# KiCad board AMLDC-2044B p3.kicad_pcb (continued)
## Routing (per net, layer and track width the routed paths; a pad name or vN(x,y) marks a point on that pad's centre or on a via; arc(x,y) is an arc through that point) (continued)
P7p12: length 9.4
  Top w0.15: UP7.12 384.31,121.77 382.5,119.96 382.1,119.6 381.78,119.19 381.3,118.66 380.26,117.01 380.08,116.35 379.23,114.84
Q1p1: length 20.7
  Top w0.15: 426.8,114.89 426.4,116.57 426.47,117.18 426.88,117.85 R23.1 425.86,119.65 425.01,121.42 424.82,121.89 424.14,123.51 423.6,124.68 422.83,126.19 422.78,126.24 419.23,126.24 419.23,129.13 419.35,129.25 419.35,130.03 Q1.1
Q1p2: length 22.3
  Top w0.15: Q1.2 417.61,131.27 417.97,131.74 418.96,132.77 419.99,134.03 420.46,134.89 420.74,135.49 420.91,136.18 421.34,137.12 421.98,138.45 422.39,139.15 422.75,139.88 ; R20.1 418.06,141.13 419.39,140.72 420.59,140.23 422.75,139.88 ; 422.75,139.88 423.18,139.71 423.69,139.13 425.53,138.15 R21.2
Q1p3: length 41.1
  Top w0.15: Q1.3 415.4,132.28 414.82,131.36 414.28,129.73 414.13,129.28 412.88,126.24 412.88,123.62 414.06,122.44 414.06,121.82 416.25,119.63 416.25,101.11 416.35,101.02 v1(416.48,101.02) 416.48,100.88 416.53,100.84 422.43,100.84
R0p13: length 56.2
  Top w0.25: 120.71,95.27 UR0.5 UR0.10 ; 120.71,95.27 120.64,95.2 113.09,95.2 ; 120.71,95.27 120.71,88.41 US0.10 US0.5 ; 113.09,95.2 UR0.2 UR0.13 ; 113.09,95.2 113.09,88.41 US0.13 US0.2
R1p4: length 29.9
  Top w0.15: US1.4 US1.13 155.82,88.61 UR1.4 UR1.13 ; US1.4 155.54,80.71 ; US1.4 155.5,80.67 155.51,80.19 155.34,79.76 154.79,79.21 153.86,78.42 153.58,78.23 152.85,77.75 152.34,77.23 152.31,77.23 v1(152.28,77.26) 152.25,77.23 152.18,77.23
R1p5: length 17
  Top w0.15: US1.5 158.06,82.42 157.5,83.67 157.24,87.7 157.17,87.77 157.17,91.96 157.67,92.46 157.67,92.68 v1(157.64,92.72) 157.67,92.75 158.18,95.71 158.36,96.14 UR1.5
R2p9: length 16.4
  Top w0.15: 206.44,120.76 v1(206.32,120.91) 206.72,120.48 206.86,119.54 207.09,118.42 207.43,117.27 207.79,116.23 207.47,112.55 206.75,110.07 206.6,109.04 206.38,108.39 UR2.9
R3p10: length 24.4
  Top w0.15: US3.5 US3.10 238.82,95.89 239.08,96.15 UR3.5 238.9,100.4 238.92,100.96 UR3.10
R3p13: length 24.9
  Top w0.15: UR3.13 231.46,103.7 231.57,103.59 231.46,103.47 UR3.2 231.46,95.99 231.61,95.84 231.61,89.56 231.68,89.49 231.2,89.01 US3.13 231.67,87.84 231.67,87.45 231.64,86.72 231.55,82.9 US3.2
R4p13: length 29.4
  Top w0.15: 266.49,76.64 266.43,76.58 v1(266.43,76.67) 266.52,76.96 267.29,77.88 267.99,78.8 268.9,79.84 US4.4 US4.13 268.76,88.49 UR4.4 268.82,99.77 268.69,102.82 268.76,103.9 UR4.13
R5p1: length 6.4
  Top w0.15: 298.62,91.26 298.59,91.23 v1(298.63,91.23) 298.63,91.27 298.79,91.43 298.79,96.24 298.43,96.6 UR5.1
R5p5: length 5.7
  Top w0.15: UR5.5 308.65,96.14 307.89,95.31 307.49,94.98 307.04,94.75 306.07,94.41 305.64,94.47 305.05,94.94 v1(304.99,94.98) 305.01,94.94
R5p12: length 5
  Top w0.15: UR5.12 303.51,104.61 304.26,103.86 304.67,103.61 304.98,103.36 305.54,103.21 306.25,102.95 306.98,102.96 307.49,102.98 v1(307.49,102.95) 307.51,102.95 307.58,102.88
R6p12: length 9.2
  Top w0.15: UR6.12 348.66,102.52 349.19,101.81 349.51,101.15 350.37,100.14 350.67,99.43 350.75,99.43 351.61,98.21 352.35,97 353.09,95.89
R7p11: length 18.1
  Top w0.15: UR7.11 386.04,102.11 385.5,101.88 385.31,101.55 384.3,100.63 383.86,99.84 383.25,98.96 383.17,98.07 383.17,95.33 383.08,93.66 382.67,92.88 381.38,91.68 381.1,91.41 380.05,90.05 379.82,89.26 379.03,88.14
R7p12: length 9.4
  Top w0.15: UR7.12 383.88,102.44 383.36,101.52 382.86,100.99 382.69,100.9 382.13,100.42 381.43,99.99 381.14,99.68 380.84,99.33 380.19,98.6 379.89,97.88 379.23,95.84
R60p1: length 2.6
  Top w0.25: R60.1 209.27,50.41 R61.1
R64p1: length 2.6
  Top w0.25: R64.1 209.24,39.99 R63.1
R66p1: length 2.6
  Top w0.25: R62.1 209.33,45.13 R66.1
R78p1: length 150.3
  Top w0.15: 142.37,148.51 142.37,148.43 v1(142.41,148.4) 142.51,138.77 142.56,137.79 142.52,137.25 142.49,113.73 142.01,112 141.29,110.05 140.49,108.61 140.26,107.48 139.8,106.02 139.62,94.41 139.56,93.45 139.45,87.06 139.56,86.95 139.56,68.64 v1(139.61,68.6) 139.56,68.55 139.56,67.84 139.65,65.16 139.78,46.34 140.12,45.34 140.53,44.5 141.07,43.55 140.96,25.73 140.93,23.4 140.87,21.92 140.89,21.02 140.91,20.43 140.85,20.03 140.95,18.85 140.83,17.94 140.57,17.03 140.17,15.76 139.66,14.53 139.26,13.5 139.24,13.5 139.14,12.68 138.95,11.98 139.01,11 138.95,10.48 138.93,10.11 139.1,9.08 139.23,8.22 139.32,7.34 139.39,6.86 139.68,5.83 139.89,4.52 140.09,3.72 140.22,2.89 140.49,1.9 R78.1
R82p2: length 136
  Top w0.15: 222.98,163.53 v1(222.95,163.59) 222.66,158.4 222.52,153.47 222.58,151.25 222.94,133.89 222.96,131.9 223.36,113.72 222.86,112.12 222.55,110.78 222.22,110.27 221.72,108.12 221.68,106.61 221.55,106.24 221.69,103.76 221.86,102.76 222.28,100.04 222.4,98.95 223.06,94.67 223.15,93.36 223.44,91.58 223.72,89.01 224.28,85.41 224.05,69.4 v1(224.05,66.78) 224.01,66.63 223.93,64.94 223.36,63.26 222.88,61.45 222.53,60.59 222.19,59.12 221.69,57.61 221.45,56.28 221.45,50.9 221.54,49.35 221.47,46.46 221.39,43.87 221.26,43.13 221.07,42.17 220.83,38.94 221,37.73 221.34,33.82 221.65,32.66 222.08,30.42 R82.2
S0p3: length 74.3
  Top w0.15: UW0.13 112.7,9.96 112.88,10.69 113.05,11.22 113.22,11.63 113.25,12.06 113.6,13.22 114.13,15.13 114.35,15.72 114.54,16.67 114.95,17.62 UV0.3 114.49,20.2 114.25,21.17 114.14,22.3 114.1,23.45 114.04,24.02 114.02,24.42 113.96,24.77 113.96,32.66 v1(113.93,32.68) 113.96,32.71 113.96,32.75 113.92,32.79 113.92,33.7 114.07,34.1 114.27,35.22 114.26,35.74 114.35,36.48 114.59,37.7 114.65,38.31 114.75,39.35 114.9,40.74 115.13,41.78 UU0.3 114.85,44.07 114.68,44.54 114.48,45.19 114.35,45.78 114.25,46.15 114.17,46.66 114.18,47.31 114.1,48.08 114,55.72 114.46,58.01 114.53,58.56 115.02,60.02 115.33,60.89 UT0.3 115.58,62.75 114.89,63.44 114.91,63.46 114.54,64.66 114.14,66.6 114.11,73.93 114.12,75.95 114.34,77.25 114.7,78.17 114.86,78.63 115.12,79.49 115.49,79.98 US0.3
S0p6: length 82.8
  Top w0.15: UW0.5 120.47,1.32 120.56,2.09 120.87,2.76 121.08,3.54 121.24,4.03 121.4,5.2 121.4,6.38 121.38,7.63 121.2,12.73 121.5,15.1 122.19,17.14 122.4,17.79 122.51,18.36 UV0.6 122.36,20.11 122.06,20.94 121.92,21.3 121.65,21.91 121.46,23.62 121.54,25.2 121.57,36.37 v1(121.68,36.64) 121.83,37.3 121.82,38.2 122.02,39.09 122.23,39.91 122.33,40.54 122.62,41.29 122.64,41.26 122.78,41.98 UU0.6 122.39,43.93 122.15,44.27 121.76,45.42 121.72,45.72 121.73,46.16 121.67,55.88 122.11,58.15 122.34,58.95 122.3,58.72 122.45,59.57 122.59,60.12 122.73,60.56 122.77,60.98 UT0.6 122.41,63.39 122.21,63.72 122.07,64.17 122.04,64.82 121.88,65.65 121.76,67.15 121.67,68.28 121.74,68.59 121.74,77.45 122.08,78.32 122.17,78.55 122.65,79.63 122.73,80.26 US0.6
S0p8: length 82.5
  Top w0.25: US0.8 125.36,87.54 124.42,85.41 124.42,79.29 124.47,79.23 124.25,79.01 124.25,76.32 124.42,76.15 124.42,73.39 124.9,72.92 124.9,71.52 125.74,70.67 UT0.8 125.05,69.09 124.63,67.99 124.22,66.49 124.18,66.13 124.27,65.9 124.41,59.67 124.38,58.9 124.28,58.43 124.29,57.02 124.46,56 124.58,55.51 124.76,54.46 125,53.86 125.01,53.45 125.2,52.8 125.36,52.18 UU0.8 125.19,49.58 124.76,48.57 124.44,47.57 124.22,46.55 124.21,34.67 124.25,33.72 124.55,31.13 124.67,30.62 124.77,30.15 125.05,28.21 UV0.8 125,25.93 125.07,25.44 124,22.89 124.12,18.17 124.09,16.09 124.09,15.62 124.14,15.2 124.1,14.78 124.1,13.69 123.91,12.81 123.62,11.68 123.34,10.81 123.22,10.46 122.99,9.86 UW0.9
S0p11: length 82
  Top w0.25: 116.71,30.88 116.56,39.23 116.5,40.72 116.62,42.53 116.59,45.35 116.58,45.36 116.64,46.66 116.73,46.83 116.68,47.34 117.19,48.64 117.72,49.81 UU0.11 117.76,51.56 117.28,52.38 116.91,53.57 116.7,55.03 116.64,55.89 116.61,55.92 116.61,57.16 116.73,58.76 116.71,63.74 116.62,64.77 116.65,65.73 117.01,67.08 117.7,68.57 UT0.11 117.57,71.07 117.03,72.11 116.77,72.54 116.79,74.17 116.7,74.91 116.76,76.56 116.8,80.33 116.8,83.27 116.86,85.11 117.02,85.77 117.13,86.05 117.58,87.69 118.17,87.84 US0.11 ; 116.71,30.88 116.7,30.86 ; 116.71,30.88 116.76,30.13 116.94,29.02 117.36,27.75 UV0.11 118.07,25.24 118.54,24.2 118.76,22.58 118.82,21.59 119.12,19.55 118.7,16.26 118.6,15.51 118.45,14.94 118.28,13.56 118.18,12.84 118.13,12.09 118,11.48 117.91,10.97 117.73,10.16 UW0.11
S2p1: length 11.7
  Top w0.15: 190.12,72.04 v1(190.12,72.15) 190.12,72.51 189.77,72.85 189.55,74.13 189.19,75.76 189.1,76.94 189.05,77.32 188.81,79.52 US2.1 US2.2
S2p13: length 17.6
  Top w0.15: v1(202.57,78.32) 202.57,81.31 202.04,82.9 200.95,84.18 199.85,84.5 196.36,85.11 195.06,85.41 193.52,86.06 192.02,87.28 US2.13
S3p3: length 74.1
  Top w0.15: UW3.13 232.24,9.53 232.5,10.68 232.76,11.4 233.11,12.8 233.58,14.59 233.62,15.05 234.14,16.19 UV3.3 234.11,19.3 233.61,20.47 233.4,21.6 233.22,22.36 233.19,22.47 233.2,23.54 233.15,24.11 233.17,25.88 233.05,29.17 233.44,30.7 233.72,31.68 233.96,32.48 233.94,32.58 234.2,34.55 234.46,35.53 234.46,36.87 234.44,36.9 234.61,39.44 234.51,39.99 234.48,40.7 UU3.3 234.13,43.85 233.84,44.7 233.7,45.4 233.43,46.4 233.37,47.39 233.16,47.97 233.11,49.32 233.1,50.23 232.97,50.35 233.08,52.3 233.05,54.13 233.15,55.89 233.58,57.67 233.89,59.22 234.07,60.43 UT3.3 233.9,62.71 233.59,63.09 233.47,64.42 233.26,65.24 233.23,65.97 233.22,67.14 233.05,69.42 233.05,75.26 233.09,76.67 233.49,77.81 233.74,78.74 233.92,79.39 233.74,79.56 US3.3
S3p6: length 82.7
  Top w0.15: 240.65,9.61 240.63,9.63 ; 240.63,9.63 240.65,7.62 240.47,6.02 240.26,5.15 240.21,4.4 239.93,3.36 UW3.5 ; 240.63,9.63 240.51,12.16 240.83,14.15 241.17,15.51 241.7,16.76 241.9,18.16 241.52,20.06 241.21,20.91 241.04,22.06 240.57,24.62 240.57,29.2 240.52,30.51 240.6,32.42 240.64,33.62 240.68,33.09 240.84,35.61 241.13,36.94 241.15,37.91 241.31,38.73 241.48,40.15 241.85,41.34 241.92,42.46 241.58,43.6 240.81,46.08 240.74,46.53 240.49,49.34 240.7,51.58 240.48,55.68 240.65,57.49 240.99,58.54 241.3,59.55 241.66,60.23 UT3.6 241.59,63.04 241.26,63.94 240.81,65.65 240.49,66.62 240.49,72.18 240.38,72.83 240.33,75.43 240.81,77.15 241.04,78.07 241.21,78.9 241.36,79.88 US3.6
S3p8: length 81.8
  Top w0.15: US3.8 243.9,88.05 243.58,86.66 243.07,85.01 242.7,80.15 242.96,78.16 243.02,76.9 243.15,75.52 243.27,73.6 UT3.8 244.12,68.38 243.87,67.9 243.01,65.74 243.12,61.02 243.08,59.64 243.15,58.95 243.23,56.33 243.46,55.12 243.85,53.56 244.08,52.96 244.14,52.63 244.52,51.75 244.46,51.69 UU3.8 244.01,48.89 243.73,47.97 243.36,46.16 243.25,45.67 243.11,44.68 243.09,43.33 243.09,37.31 243.1,37.29 243.08,36.28 243.16,33.19 243.16,32.06 243.19,32.03 243.34,30.95 243.75,29.24 243.84,28.48 243.98,28.33 244.12,27.73 244.27,27.12 UV3.8 244.05,24.8 243.59,23.41 243.23,22.16 243.17,21.31 243.13,20.79 243.14,19.98 243.14,17.34 243.13,17.07 243.06,16.2 242.97,14.67 242.71,13.46 242.53,11.94 242.43,11.09 242.3,10.76 242.16,10.09 UW3.9
S3p11: length 82.4
  Top w0.15: 237.61,81.04 237.95,83.09 237.67,85.82 237.11,86.94 236.28,87.66 US3.11 ; 237.83,32.43 237.85,32.45 ; 237.85,32.45 237.79,31.61 237.72,30.58 237.61,29.93 237.63,29.33 237.56,28.76 237.44,28.08 237.26,27.46 237.11,26.86 UV3.11 237.55,23.99 237.82,23.41 237.95,22.81 238.06,22.27 238.12,18.13 238.07,16.55 238.01,15.36 237.82,14.24 237.7,13.42 237.61,12.71 237.49,12.04 237.28,11.22 237.07,10.32 236.92,9.83 236.94,9.67 UW3.11 ; 237.85,32.45 237.96,34.2 237.93,35.2 237.98,36.14 238.03,36.85 238.11,45.03 237.96,46.19 237.92,46.64 237.66,47.63 237.43,48.68 237.14,49.12 UU3.11 236.84,51.84 237.05,52.75 237.17,53.2 237.26,53.74 237.43,54.77 237.57,55.64 237.71,56.32 237.94,57.76 238.06,59.52 238.06,66.14 237.78,67.32 237.26,68.3 236.76,68.56 UT3.11 237.06,70.49 236.96,71.36 237.17,72.43 237.29,74.32 237.41,74.69 237.57,75.74 237.83,77.69 238.05,79.32 237.6,81.16
S6p12: length 9.3
  Top w0.15: US6.12 347.96,87.58 348.53,87.17 348.8,86.82 349.13,86.47 349.33,86.14 350.02,85.17 351.24,83.49 351.59,82.81 351.92,82.33 352.42,81.5 353.04,80.67
S7p11: length 18.7
  Top w0.15: US7.11 386.49,87.12 385.65,86.4 384.78,85.26 384.13,84.45 383.48,83.58 383.3,82.92 383.01,82 383.04,80.14 383.13,78.87 383.07,76.76 382.73,75.55 382.15,74.55 381.36,73.18 380.46,71.32
S7p12: length 9.3
  Top w0.15: US7.12 383.85,87.18 383.32,86.28 382.51,85.12 381.67,84.35 380.81,83.5 380.46,83.21 380.2,82.78 379.98,82.07 379.03,80.52
SPARE: length 12.7
  Top w0.15: 82.62,218.71 83.97,217.2 84.82,216.2 R56.1 ; 82.83,218.55 81.86,219.31 81.78,219.43 80.96,219.98 80.28,220.31 75.83,220.56 J1.79
T0p10: length 7.8
  Top w0.15: UT0.10 120.42,69.54 120.42,68.46 120.46,67.9 120.37,65.29 120.4,64.58 120.39,63.14 120.39,62.45 UT0.5
T0p13: length 7.6
  Top w0.15: UT0.2 112.83,63.92 112.83,65.36 112.81,67.11 112.85,68.2 112.89,68.93 UT0.13
T1p6: length 5.8
  Top w0.15: UT1.6 160.92,62.95 160.83,63.69 160.77,64.02 160.35,65.31 160.18,66 160.1,66.23 159.93,66.81 159.74,66.92 v1(159.76,67.26) 159.74,67.28 159.78,67.32
T2p1: length 20.3
  Top w0.15: UT2.1 188.93,60.58 189.34,60.2 189.68,59.4 190.2,58.67 190.7,57.72 191.5,56.33 191.8,55.73 192.22,54.78 192.48,53.65 192.52,52.71 192.62,52.06 192.68,51.12 192.77,48.1 192.78,46.79 192.88,45.82 193.12,45.23 193.5,44.08 193.62,43.71 UU2.3
T2p2: length 12.8
  Top w0.15: UU2.11 196.43,51.19 196.01,51.94 195.32,53.03 194.9,54.04 194.57,54.7 194.32,55.02 193.89,56.05 193.55,56.61 193.13,57.48 192.58,58.56 191.94,60.18 191.38,60.91 UT2.2
T2p4: length 20.5
  Top w0.15: UU2.6 200.77,43.59 200.14,44.53 199.84,45.06 199.02,46.1 198.66,46.68 198.19,47.48 197.92,48.05 197.82,48.46 197.69,51.23 197.67,52.16 197.55,54.93 197.39,58.51 197.18,59.15 196.82,60.15 196.53,60.76 196.53,60.82 196.46,60.88 UT2.4
T2p5: length 13
  Top w0.15: UU2.8 203.67,51.41 203.38,52.03 203.05,52.67 202.68,53.56 202.22,54.39 201.73,55.26 201.17,56.46 200.63,57.63 200.1,58.75 199.61,59.73 UT2.5 199,61.41
T3p10: length 7.6
  Top w0.15: UT3.5 239.35,65.02 239.31,66.95 UT3.10
TRK2: length 26.4
  Top w0.15: J1.87 80.07,207.79 81.15,207.16 81.63,206.75 81.85,206.63 82.15,206.45 82.4,206.19 83.05,205.63 83.37,205.25 84.06,204.59 84.8,203.92 85.66,202.94 86.05,202.54 87.12,201.22 87.74,200.43 87.99,200.15 90.1,197.75 91.29,196.18 91.84,195.51 92.49,194.72 92.86,194.19 93.4,193.69 93.62,193.36 93.84,193.06 94.42,192.54 ; v1(95.08,191.89) 94.33,192.63
TRK3: length 30.5
  Top w0.15: 87.2,204.07 88.82,202.36 89.44,201.64 89.55,201.48 91.92,199.29 91.92,199.27 93.01,198.19 93.62,197.58 94.37,197.1 95.09,196.77 96.67,196.11 v1(97.59,195.7) 97.61,195.73 ; J1.83 80.14,214.14 80.55,213.53 80.96,213.26 81.55,212.72 82.54,211.29 82.96,210.76 ; 87.27,203.99 86.86,204.44 85.71,206.03 85.49,206.32 84.11,208.4 82.9,210.83
TRK4: length 25.5
  Top w0.15: 93.77,189.9 v1(93.86,189.9) 93.14,190.72 92.62,191.61 92.24,191.99 91.59,193.22 91.36,193.58 91.2,193.87 90.6,194.78 90.09,195.58 89.02,197.21 88.39,198.19 86.96,199.95 85.95,200.86 85.11,201.71 84.05,202.82 ; J1.89 79.9,204.61 80.42,204.61 80.88,204.58 81.11,204.58 81.49,204.37 82.4,204.07 83.19,203.45 84.27,202.66
TRK6: length 21.4
  Top w0.15: 93.32,238.63 93.07,238.47 92.77,238.26 92.29,238.12 91.82,237.91 90.88,237.27 90.51,237.08 90.25,236.99 89.59,236.6 88.89,236.2 88.19,235.85 87.26,235.23 86.98,235.03 85.5,233.89 85.2,233.67 85.04,233.54 84.04,232.89 83.68,232.62 83.3,232.4 82.62,231.9 81.76,231.51 81.13,231.2 ; 81.16,231.21 80.38,230.9 J1.73 ; 94.29,239.49 v1(94.31,239.46) 94.29,239.36 93.94,239.02 93.2,238.56
U0p2: length 7.7
  Top w0.15: UU0.2 112.73,44.1 112.75,44.47 112.75,49.32 112.77,49.8 UU0.13
U0p10: length 7.7
  Top w0.15: UU0.10 120.36,49.51 120.24,45.75 120.23,44.47 120.18,44.16 UU0.5
U1p3: length 44.2
  Top w0.15: UU1.3 152.95,41.87 152.56,41.29 151.65,40.15 151.43,39.78 150.73,38.9 150.44,38.38 150.06,37.71 150.03,36.32 150.32,34.71 150.58,33.73 150.64,33.22 151.19,31.69 151.49,30.76 151.81,29.73 152.08,28.27 152.08,22.68 152.25,22.07 152.8,20.63 152.98,19.9 UV1.3 152.86,18.34 152.99,17.34 152.48,16.63 152.03,15.15 151.89,13.83 152.03,8.01 151.82,5.19 151.39,3.98 151.36,3.92 151.3,3.57 151.27,3.14 150.92,2.13 150.71,0.7
U1p4: length 45
  Top w0.15: UU1.4 155.96,41.67 156.27,41.14 156.39,39.94 156.56,38.73 156.79,37.87 156.87,36.98 156.93,35.15 156.99,34.08 157.03,31.87 157,30.27 157.09,24.7 157.03,24.18 156.91,23.26 156.83,22.61 156.49,21.47 156.07,20.12 ; 156.17,20.32 155.79,19.56 155.79,18.74 155.87,17.55 156.08,16.69 156.62,15.67 157.11,14.9 157.59,14.02 158.24,13.19 158.46,12.72 159.36,11.09 159.46,6.33 159.63,5.48 160.28,4.46 160.63,4.03 161.19,3.3 161.7,2.86 UW1.7
U1p10: length 59.5
  Top w0.15: UU1.10 158.89,49.35 159.1,48.69 159.61,47.19 159.74,37.43 159.71,37.36 159.73,37.03 159.64,35.07 159.46,34.07 159.35,32.89 159.2,31.97 159.15,31.23 158.82,30.05 158.72,28.89 158.33,27.29 UV1.10 158.96,25.41 159.36,24.78 160.32,23.69 160.92,23.07 161.24,22.73 162.01,21.56 162.06,7.22 162.11,6.73 162.22,6.61 162.47,5.65 163.03,4.89 163.52,4.28 164.04,3.53 164.34,3 164.63,0.33 164.62,-0.97 164.42,-1.4 164.3,-1.57 163.94,-1.87 163.66,-1.89 163.22,-1.95 162.38,-1.75 161.4,-0.87 161.25,-0.68 161.06,-0.48 UW1.6
U1p11: length 50.6
  Top w0.15: UW1.3 153.66,1.93 153.8,2.54 153.89,2.97 154.11,3.78 154.31,4.91 154.44,5.44 154.46,6.2 154.5,7.69 154.37,14.74 154.48,23.18 155.21,25.27 155.79,26.36 155.79,31.25 155.74,31.67 155.73,33.01 155.54,35.7 155.38,36.05 155.1,37.36 154.51,40.45 154.56,40.96 154.6,41.17 154.63,41.2 154.63,47.63 155.05,48.61 155.55,49.46 UU1.11
U2p2: length 16.5
  Top w0.15: UU2.2 191.45,41.48 191.43,41.08 191.41,40.81 191.52,40.34 191.51,39.83 191.56,39.18 191.62,38.85 191.66,38.09 191.79,37.29 192.05,35.26 192.12,34.93 192.18,34.18 192.44,33.07 192.85,31.19 193.05,30.3 193.23,29.76 193.44,29.21 193.76,27.8 UV2.12
U2p5: length 16.2
  Top w0.15: UV2.10 198.84,41.08 198.82,41.1 UU2.5
U2p9: length 24.1
  Top w0.15: UV2.8 203.92,28.26 203.8,29.49 203.67,30.55 203.59,31.5 203.45,32.33 203.35,33.15 203.28,33.8 203.19,34.74 203.14,36.19 203.05,36.54 202.95,38.86 202.89,40.2 202.87,41.28 202.73,45.07 202.75,46.03 202.29,47.57 201.8,48.94 UU2.9
U2p13: length 32.1
  Top w0.15: UU2.13 190.66,48.63 190.42,47.65 190.24,46.9 190.21,38.36 190.39,36.92 190.39,36.4 190.5,36.04 190.69,34.92 190.8,34.34 190.95,34.04 191.17,33.05 191.41,32.36 191.56,31.56 191.96,30.09 192.19,28.96 192.51,27.58 192.51,24.37 192.48,23.7 192.25,21.68 192.04,20.92 191.76,20 UV2.2
U3p10: length 7.6
  Top w0.15: UU3.10 239.21,48.81 239.25,46.18 UU3.5
U3p13: length 7.6
  Top w0.15: UU3.2 231.87,47.9 231.87,48.98 UU3.13
U4p3: length 43
  Top w0.15: 264.25,0.12 264.6,1.52 264.72,2.43 264.91,3.04 265.29,4.14 265.48,5.72 265.59,7.51 265.58,10.82 265.57,11.57 265.57,13.18 265.41,14.62 265.88,15.88 265.97,16.21 266.46,17 UV4.3 266.28,19.75 266.01,20.24 265.7,21.35 265.48,23.17 265.55,25.25 265.56,25.71 265.56,30.94 265.66,31.04 265.66,33.59 266.01,36.26 266.22,37.74 266.79,41.15 UU4.3
U4p4: length 45.1
  Top w0.15: UW4.7 276.38,1.14 275.86,1.69 275.51,2.2 275.21,2.66 274.01,4.35 273.74,4.82 273.12,6.42 273.06,8.81 273.03,10.65 272.87,13.08 272.44,13.99 272.09,14.3 271.97,14.46 271.75,14.77 270.89,15.63 270.44,16.12 269.99,16.72 269.2,17.51 UV4.4 269.2,18.9 269.85,20.16 270.05,21.21 270.34,22.31 270.62,24.93 270.58,25.77 270.72,31.86 270.59,33.06 270.48,35.63 270.33,36.33 270.23,37.36 270.1,38.41 270.07,38.69 270.03,38.9 269.71,40.7 269.5,41.24 UU4.4
U4p10: length 60.7
  Top w0.15: 275.61,6.39 275.61,7.51 275.53,8.75 275.5,8.72 275.49,10.81 275.52,11.71 275.52,12.53 275.55,16.22 275.52,20.23 275.18,21.45 274.61,22.36 273.73,23.34 273.33,23.72 272.99,24.06 272.95,24.45 272.33,25.02 UV4.10 271.97,27.22 272.14,27.94 272.51,29.84 272.52,30.23 272.92,33.36 272.92,35.15 273,35.87 273,37.06 273.08,39.32 273.09,40.48 273.07,47.22 272.74,48.33 271.87,49.98 ; 275.61,6.3 275.7,5.12 275.89,4.92 276.44,3.89 277.19,2.97 277.85,1.74 277.85,1.27 278.08,1.04 277.92,-2.31 276.97,-2.92 275.51,-2.71 274.68,-2.11 274.51,-1.81 274.27,-1.35 274.16,-0.66 274.41,0.12
U4p11: length 50.6
  Top w0.15: UU4.11 268.89,48.91 268.5,47.87 268.18,46.77 268.13,46.29 268.08,44.86 268.19,38.53 268.25,37.39 268.22,36.29 268.27,35.39 268.28,34.53 268.35,33.28 268.62,30.48 268.7,30.19 268.96,28.37 269.1,27.78 269.2,26.9 UV4.11 268.82,24.66 268.14,23.09 268.06,22.49 267.99,22.25 268.09,18.18 268.04,15.11 268.04,13.42 268.01,12 268.07,11.37 268.15,10.65 267.97,7.93 267.91,6.3 267.74,4.97 267.63,4.33 267.27,2.81 267.08,0.41 UW4.3
U4p13: length 24.6
  Top w0.15: 264.25,49.98 264.12,48.9 264.03,48.39 263.84,48.05 263.5,47.22 263.13,46.04 263.07,41.52 263.06,39.82 263.1,39.25 263.09,37.87 263.24,35.5 263.29,34.52 263.32,34.48 263.28,33.55 263.55,31.58 263.87,29.49 263.95,29.03 264.08,27.75 264.18,27.3 264.28,26.59 UV4.13
W0p2: length 4.6
  Top w0.15: 112.42,-3.65 112.4,-3.63 112.4,-3.56 v1(112.39,-3.55) 112.4,-3.53 112.4,-0.82 112.42,-0.19 UW0.2
W1p13: length 15.9
  Top w0.15: 149.45,-2.61 v1(149.41,-2.55) 153.17,-2.39 154.31,-2.21 154.39,-2.21 154.91,-1.75 155.51,-1.03 155.63,-0.61 155.79,0.7 155.7,3.63 155.75,8.18
W2p9: length 16.5
  Top w0.15: UW2.3 194.03,1.58 194.51,2.27 195.1,2.74 195.69,3.04 198.84,3.6 199.35,3.58 200.27,3.72 200.93,3.82 202.24,3.92 203.72,4.25 204.25,4.55 205.06,5.09 205.45,5.62 206.06,6.63 206.27,7.03 206.36,8.09 UW2.9
W2p10: length 16.4
  Top w0.15: UW2.2 191.42,1.6 192.12,2.79 192.4,3.16 192.97,3.66 194.35,4.13 195.1,4.41 199.1,4.92 200.02,5.13 201.87,5.61 203.51,6.9 203.58,7.85 UW2.10
W4p13: length 7.6
  Top w0.15: UW4.13 UW4.4
WALLOUT: length 27.4
  Top w0.15: 92.72,261.51 v1(92.69,261.51) 92.72,261.26 91.95,261.09 90.85,260.06 89.72,258.85 89.45,258.33 88.67,257.27 87.13,255.25 86.36,254.31 85.61,253.21 85.08,252.33 84.66,251.64 83.91,250.44 82.95,247.94 82.42,246.88 82.11,246.11 81.53,244.87 80.69,243.72 80.04,242.71 J1.65
~{DATA1}: length 45.4
  Top w0.15: 90.69,51.7 90.3,51.33 89.76,50.9 88.52,50.34 85.98,50.2 84.25,50.75 83.05,51.19 80.72,52.35 79.71,53.36 J2.65 ; 86.91,79.54 v1(86.88,79.61) 87.07,79.54 88.41,78.2 88.7,77.78 88.88,77.49 89.89,76.5 90.88,74.98 91.41,72.89 91.34,70.73 91.33,69.65 91.3,69.18 91.12,67.91 91.04,66.77 90.83,65.06 90.81,64.21 90.91,62.63 90.96,60.8 91.06,59.88 91.11,59.02 91.33,57.63 91.69,55.53 91.73,53.01 90.75,51.7
~{DATA3}: length 119.9
  Top w0.15: 100.09,138.22 v1(100.02,138.22) 99.65,137.72 99.51,137.55 99.24,137.24 99.1,136.84 99.24,135.42 99.34,135.1 99.5,134.33 99.74,133.06 99.78,132.74 99.91,131.96 100.11,130.9 100.16,130.17 100.16,127.81 100.18,127.35 100.13,126.61 99.95,124.81 99.87,124.18 99.65,122.89 99.6,122.7 99.39,122.05 99.25,120.65 99.19,120.42 99.04,119.8 98.88,116.46 98.93,115.7 99.16,113.81 99.17,112.98 99.29,112.03 99.51,107.41 99.46,106.65 99.47,106.05 99.65,97.5 99.63,97.28 99.54,93.23 99.59,87.74 99.55,86.67 99.49,83.08 99.45,82.7 99.51,80.94 99.11,78.81 98.96,77.61 98.58,75.44 98.48,73.3 98.48,73 98.4,72.39 98.41,71.94 98.5,70.05 98.71,69.13 99.16,67.74 99.49,66.59 100.07,64.9 100.52,63.21 100.91,61.92 101.22,60.77 101.39,58.47 101.33,57.11 101.01,54.17 100.78,53.08 100.63,52.04 100.4,51.04 100.28,50.11 100.27,48.92 100.29,46.31 100.31,45.33 100.04,44.04 99.07,42.39 97.13,41.84 95.32,41.51 91.76,41.09 89.33,40.89 83.83,40.71 81.4,40.62 J2.73
~{DATA4}: length 10
  Top w0.15: 85.87,58.77 85.89,58.78 v1(85.78,58.78) 85.78,58.68 85.63,58.53 84.63,58.38 83.51,58.3 83.16,58.25 82.62,58.32 81.27,58.46 79.92,59.71 J2.61
~{DATA5}: length 6.8
  Top w0.15: J2.57 80.66,66.22 81.65,66.22 82.29,65.9 v1(83.15,65.44) 83.16,65.4
~{DATA6}: length 49.9
  Top w0.15: 102.64,31.42 102.66,31.44 v1(102.57,31.44) 102.57,31.35 102.33,31.1 102.25,28.16 102.27,27.47 102.37,25.49 102.51,24.97 102.93,23.89 103.88,21.11 104.25,16.35 104.24,10.76 103.96,10.13 103.43,9.9 102.17,9.01 99.33,8.9 98.37,8.84 94.48,8.57 93.69,8.49 93.38,8.52 91.8,8.37 90.26,8.32 87.57,7.95 86.91,7.73 85.12,7.17 83.02,6.59 82.44,6.47 81.53,6.14 J2.95
~{DATA7}: length 6.3
  Top w0.15: 82.68,68.32 82.67,68.32 v1(82.65,68.34) 82.63,68.32 81.33,68.63 80.86,68.73 80.36,69.23 J2.55
~{DATA9}: length 13.8
  Top w0.15: 89.17,55 89.21,55.04 v1(89.06,55.04) 89.06,54.89 89.07,54.9 84.91,54.9 84.26,55.03 82.15,55.08 80.75,55.48 80.64,56.53 J2.63
~{DATA10}: length 10.7
  Top w0.15: J2.75 80.9,37.61 81.5,37.68 84.79,37.81 84.99,37.86 85.14,37.87 v1(87.2,37.85) 87.21,37.87 87.24,37.89
~{DATA12}: length 22.3
  Top w0.15: J2.59 80.12,62.88 81.4,61.76 83.19,61.56 84.06,61.7 84.6,62 85.22,62.45 85.67,62.93 85.93,63.31 86.44,64.71 86.82,68.56 86.77,69.07 86.7,69.71 86.62,70.87 86.32,71.87 86.08,72.18 85.81,72.81 85.27,73.45 85.18,73.57 v1(84.43,74.23) 84.43,74.31 84.5,74.25
~{DCHM0}: length 142.3
  Top w0.15: v1(96.29,254.16) 96.98,252.52 97.55,251.47 98.26,248.41 98.33,247.82 98.53,246.07 98.62,245.13 98.43,243.66 98,241.44 97.8,240.66 97.63,238.43 97.64,237.34 97.61,233.17 97.6,231.39 97.63,229.73 97.63,229.27 97.55,225.4 97.26,223.37 97.01,221.7 96.81,220.94 96.73,218.71 96.78,217.51 97.26,216.41 97.78,215.02 98.4,213.67 99.18,211.81 99.36,210.99 99.9,209.57 100.26,208.02 100.55,207.02 100.72,205.19 100.8,204.11 100.71,201.51 100.68,200.02 100.38,197.21 100.12,195.35 99.8,191.85 99.67,190.88 99.02,186.28 98.43,183.02 98.03,180.26 97.71,178.89 97.54,177.34 96.7,173.58 96.39,170.34 96.33,169.17 96.52,168.52 96.72,166.72 97.21,163.52 97.37,161.79 97.49,161.14 97.66,159.84 97.8,156.7 97.95,155.64 97.85,152.63 97.75,151.58 97.47,149.8 96.9,148.25 96.52,147.26 94.94,143.58 94.27,142.07 94.04,141.25 93.78,140.65 93.11,138.84 93,136.43 93.1,136.09 93.27,135.58 93.47,133.35 93.44,132.6 93.33,132.16 93.03,131.43 92.38,130.81 91.27,130.11 89.41,129.8 88.81,129.68 87.62,129.57 82.11,129.77 81.83,129.8 81.29,129.77 J2.17
